# Altium PCB Digital_Optical_18Tx_14Tx4Rx.PcbDoc (part 1 of 2) (continued)
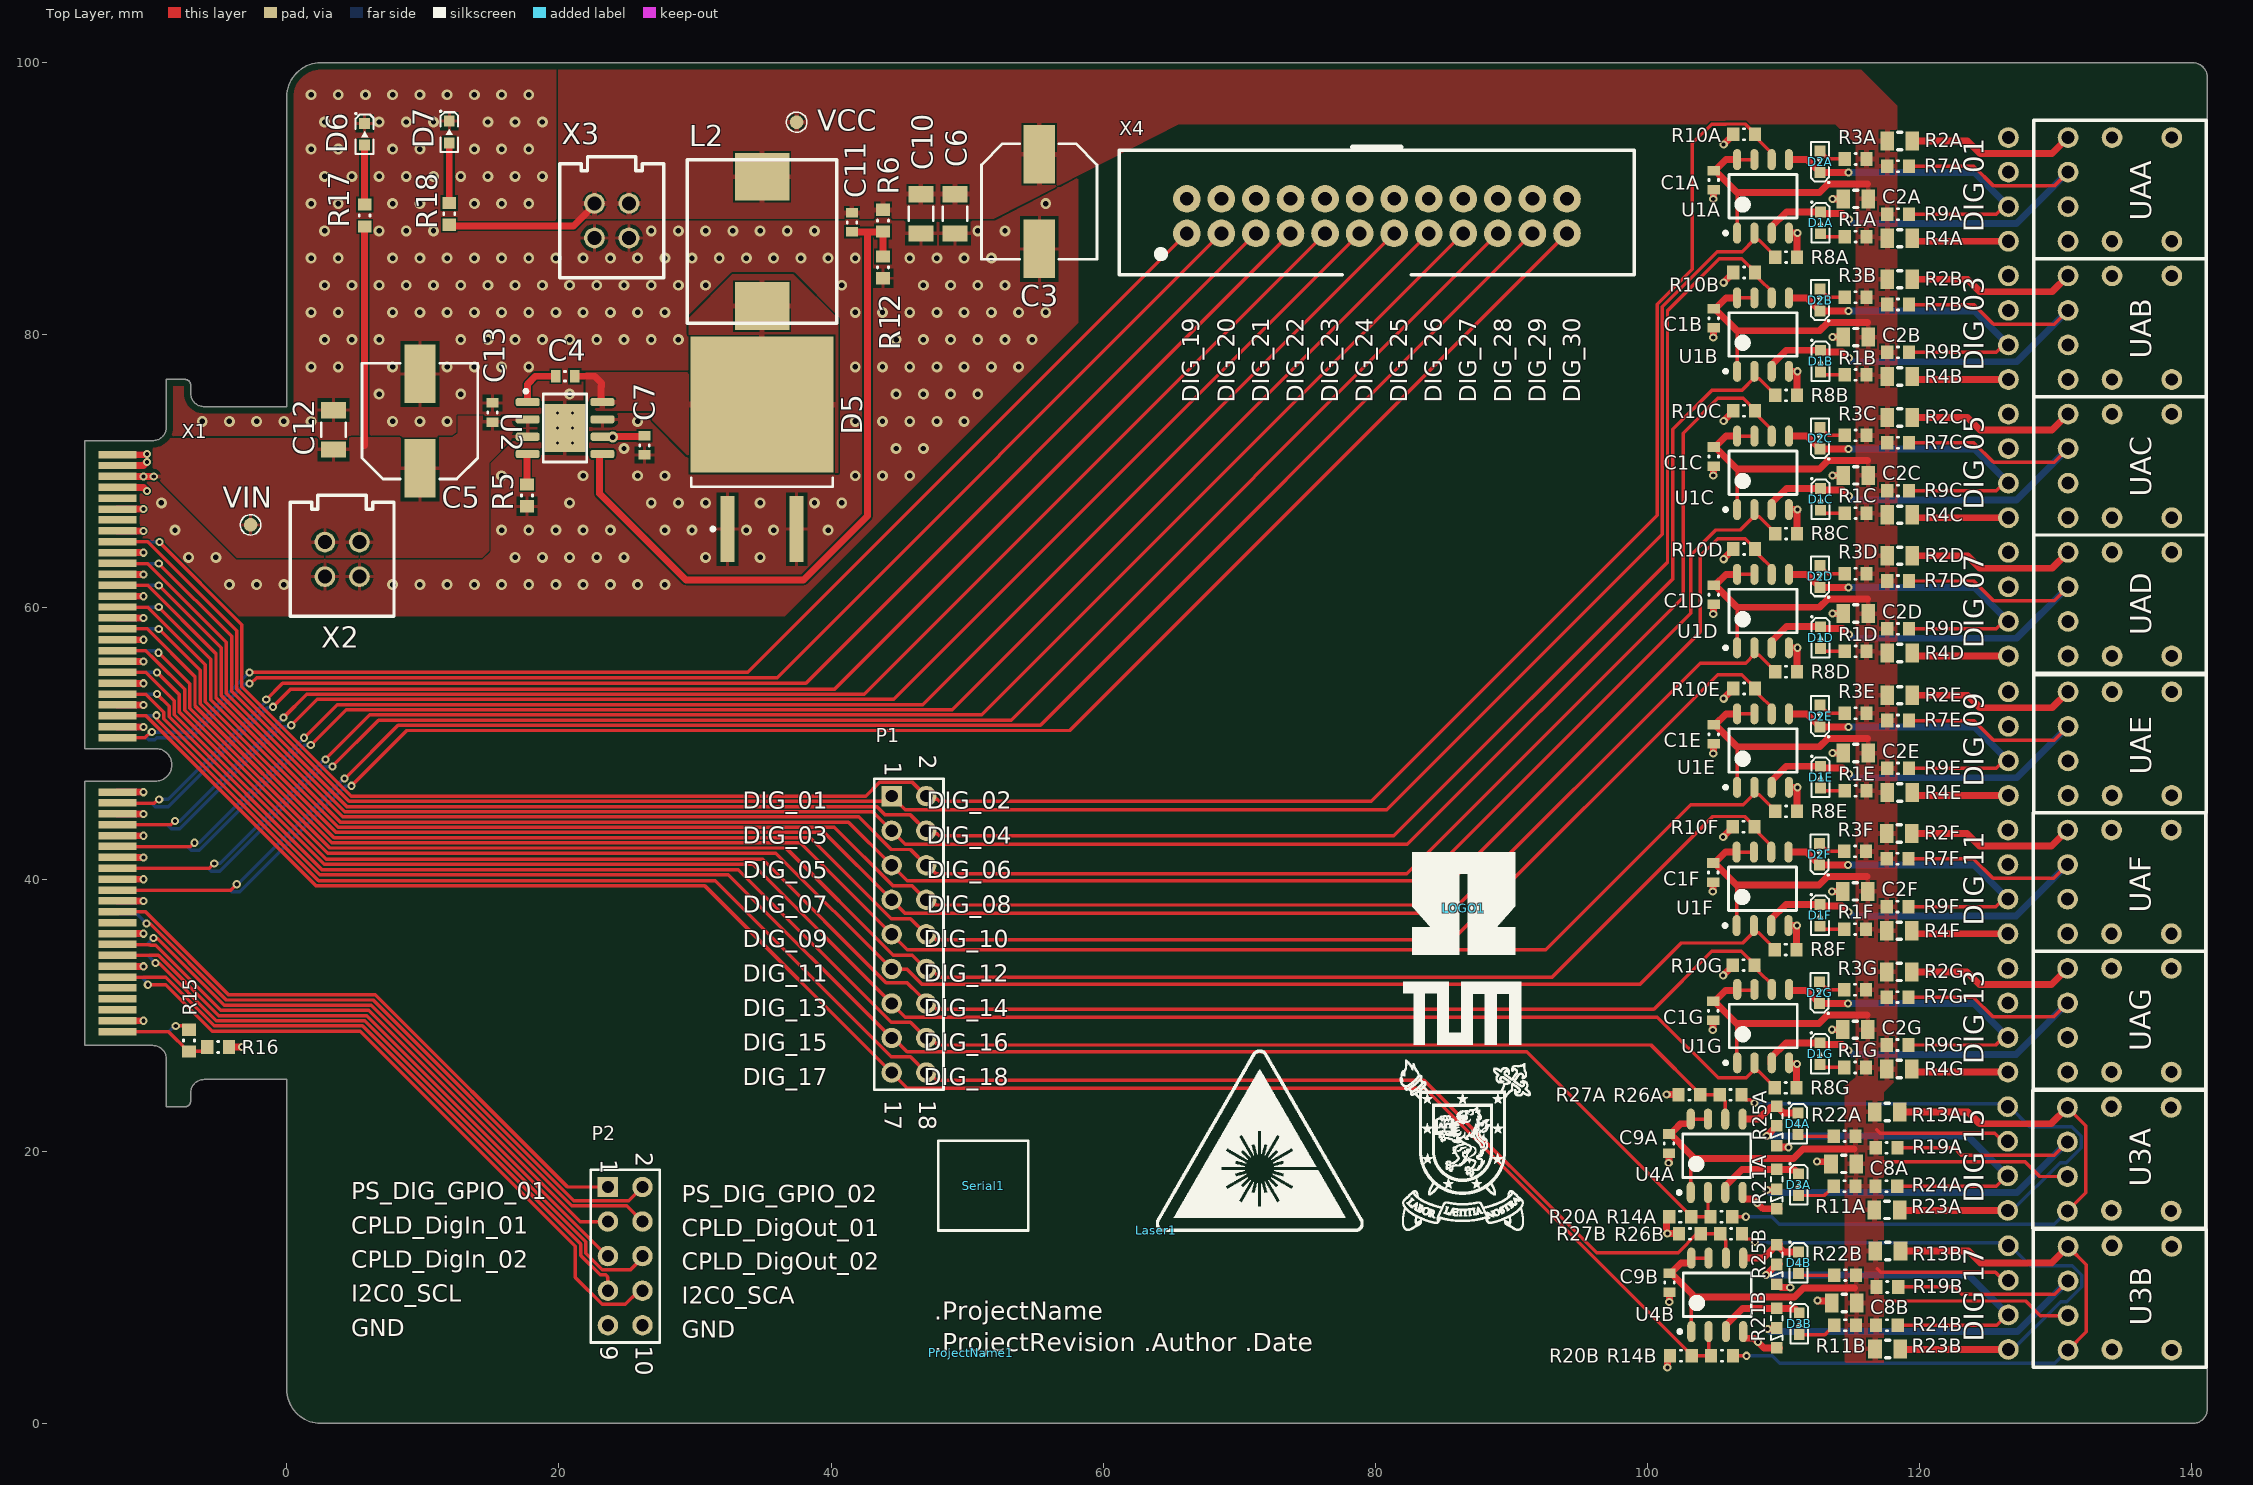
[diagram p0: Top Layer view]
## Components (designator, comment, footprint, x,y, rotation, side; value= is the part's Value field where it differs from the comment)
C1A "100nF" C_0603(1608)100_L 104.871,91.379 r270 top (schematic designator C1)
C1B "100nF" C_0603(1608)100_L 104.871,81.219 r270 top (schematic designator C1)
C1C "100nF" C_0603(1608)100_L 104.871,71.059 r270 top (schematic designator C1)
C1D "100nF" C_0603(1608)100_L 104.871,60.899 r270 top (schematic designator C1)
C1E "100nF" C_0603(1608)100_L 104.871,50.645 r270 top (schematic designator C1)
C1F "100nF" C_0603(1608)100_L 104.836,40.485 r270 top (schematic designator C1)
C1G "100nF" C_0603(1608)100_L 104.836,30.317 r270 top (schematic designator C1)
C2A "4.7µF" CAP_2012X06N 115.302,89.995 r180 top (schematic designator C2)
C2B "4.7µF" CAP_2012X06N 115.302,79.835 r180 top (schematic designator C2)
C2C "4.7µF" CAP_2012X06N 115.302,69.675 r180 top (schematic designator C2)
C2D "4.7µF" CAP_2012X06N 115.302,59.515 r180 top (schematic designator C2)
C2E "4.7µF" CAP_2012X06N 115.302,49.261 r180 top (schematic designator C2)
C2F "4.7µF" CAP_2012X06N 115.267,39.101 r180 top (schematic designator C2)
C2G "4.7µF" CAP_2012X06N 115.267,28.933 r180 top (schematic designator C2)
C3 "220uF" CAPAE9083X105M 55.3,89.8 r90 top
C4 "100nF" C_0603(1608)100_L 20.447,76.962 r0 top
C5 "220uF" CAPAE9083X105M 9.779,73.66 r270 top
C6 "10µF" C_1206 49.1,88.9 r270 top
C7 "10nF" C_0603(1608)100_L 26.289,71.882 r270 top
C8A "4.7µF" CAP_2012X06N 114.417,19.072 r180 top (schematic designator C8)
C8B "4.7µF" CAP_2012X06N 114.461,8.852 r180 top (schematic designator C8)
C9A "100nF" C_0603(1608)100_L 101.577,20.569 r270 top (schematic designator C9)
C9B "100nF" C_0603(1608)100_L 101.621,10.348 r270 top (schematic designator C9)
C10 "10µF" C_1206 46.6,88.9 r270 top
C11 "220pF" C_0603(1608)100_L 41.529,88.265 r270 top
C12 "10µF" C_1206 3.429,73.025 r90 top
C13 "100nF" C_0603(1608)100_L 15.113,74.295 r270 top
D1A "150060GS75000" WL-SMCW_0603 112.717,88.233 r270 top (schematic designator D1)
D1B "150060GS75000" WL-SMCW_0603 112.717,78.073 r270 top (schematic designator D1)
D1C "150060GS75000" WL-SMCW_0603 112.717,67.913 r270 top (schematic designator D1)
D1D "150060GS75000" WL-SMCW_0603 112.717,57.753 r270 top (schematic designator D1)
D1E "150060GS75000" WL-SMCW_0603 112.717,47.499 r270 top (schematic designator D1)
D1F "150060GS75000" WL-SMCW_0603 112.682,37.339 r270 top (schematic designator D1)
D1G "150060GS75000" WL-SMCW_0603 112.682,27.171 r270 top (schematic designator D1)
D2A "150060GS75000" WL-SMCW_0603 112.684,92.723 r90 top (schematic designator D2)
D2B "150060GS75000" WL-SMCW_0603 112.684,82.563 r90 top (schematic designator D2)
D2C "150060GS75000" WL-SMCW_0603 112.684,72.403 r90 top (schematic designator D2)
D2D "150060GS75000" WL-SMCW_0603 112.684,62.243 r90 top (schematic designator D2)
D2E "150060GS75000" WL-SMCW_0603 112.684,51.989 r90 top (schematic designator D2)
D2F "150060GS75000" WL-SMCW_0603 112.649,41.829 r90 top (schematic designator D2)
D2G "150060GS75000" WL-SMCW_0603 112.649,31.661 r90 top (schematic designator D2)
D3A "150060GS75000" WL-SMCW_0603 111.113,17.548 r270 top (schematic designator D3)
D3B "150060GS75000" WL-SMCW_0603 111.158,7.328 r270 top (schematic designator D3)
D4A "150060GS75000" WL-SMCW_0603 111.059,22.023 r270 top (schematic designator D4)
D4B "150060GS75000" WL-SMCW_0603 111.103,11.802 r270 top (schematic designator D4)
D5 "Value" DPAK254P1542X460-3Nnew 34.925,71.628 r90 top
D6 "150060BS75000" WL-SMCW_0603 5.715,94.742 r270 top
D7 "150060RS75000" WL-SMCW_0603 11.938,94.907 r270 top
L2 "2.2uH" MWSA1004 34.925,86.868 r90 top
Laser1 "Voll_Laser" VOLL_LASER 63.881,14.194 r0 top
LOGO1 "Project Logo" LOGO_PARTNERS_1 86.487,37.872 r0 top
P1 "Header 9X2" HDR2X9 44.45,46.101 r270 top
P2 "Header 5X2" HDR2X5 23.597,17.374 r270 top
ProjectName1 "Project Name, Rev" ID_PROJECTREV 50.292,5.207 r0 top
R1A "3.9k" R_0603_N 115.302,87.22 r0 top (schematic designator R1)
R1B "3.9k" R_0603_N 115.302,77.06 r0 top (schematic designator R1)
R1C "3.9k" R_0603_N 115.302,66.9 r0 top (schematic designator R1)
R1D "3.9k" R_0603_N 115.302,56.74 r0 top (schematic designator R1)
R1E "3.9k" R_0603_N 115.302,46.486 r0 top (schematic designator R1)
R1F "3.9k" R_0603_N 115.267,36.326 r0 top (schematic designator R1)
R1G "3.9k" R_0603_N 115.267,26.158 r0 top (schematic designator R1)
R2A "120R" RES_2012X06N 118.542,94.247 r0 top (schematic designator R2)
R2B "120R" RES_2012X06N 118.542,84.087 r0 top (schematic designator R2)
R2C "120R" RES_2012X06N 118.542,73.927 r0 top (schematic designator R2)
R2D "120R" RES_2012X06N 118.542,63.767 r0 top (schematic designator R2)
R2E "120R" RES_2012X06N 118.542,53.513 r0 top (schematic designator R2)
R2F "120R" RES_2012X06N 118.507,43.353 r0 top (schematic designator R2)
R2G "120R" RES_2012X06N 118.507,33.185 r0 top (schematic designator R2)
R3A "3.9k" R_0603_N 115.302,92.929 r180 top (schematic designator R3)
R3B "3.9k" R_0603_N 115.302,82.769 r180 top (schematic designator R3)
R3C "3.9k" R_0603_N 115.302,72.609 r180 top (schematic designator R3)
R3D "3.9k" R_0603_N 115.302,62.449 r180 top (schematic designator R3)
R3E "3.9k" R_0603_N 115.302,52.195 r180 top (schematic designator R3)
R3F "3.9k" R_0603_N 115.267,42.035 r180 top (schematic designator R3)
R3G "3.9k" R_0603_N 115.267,31.867 r180 top (schematic designator R3)
R4A "120R" RES_2012X06N 118.542,87.102 r0 top (schematic designator R4)
R4B "120R" RES_2012X06N 118.542,76.942 r0 top (schematic designator R4)
R4C "120R" RES_2012X06N 118.542,66.782 r0 top (schematic designator R4)
R4D "120R" RES_2012X06N 118.542,56.622 r0 top (schematic designator R4)
R4E "120R" RES_2012X06N 118.542,46.368 r0 top (schematic designator R4)
R4F "120R" RES_2012X06N 118.507,36.208 r0 top (schematic designator R4)
R4G "120R" RES_2012X06N 118.507,26.04 r0 top (schematic designator R4)
R5 "13k" R_0603_N 17.653,68.199 r90 top
R6 "68k" R_0603_N 43.815,88.392 r90 top
R7A "2k" R_0603_N 118.415,92.39 r180 top (schematic designator R7)
R7B "2k" R_0603_N 118.415,82.23 r180 top (schematic designator R7)
R7C "2k" R_0603_N 118.415,72.07 r180 top (schematic designator R7)
R7D "2k" R_0603_N 118.415,61.91 r180 top (schematic designator R7)
R7E "2k" R_0603_N 118.415,51.656 r180 top (schematic designator R7)
R7F "2k" R_0603_N 118.38,41.496 r180 top (schematic designator R7)
R7G "2k" R_0603_N 118.38,31.328 r180 top (schematic designator R7)
R8A "2k" R_0603_N 110.195,85.716 r180 top (schematic designator R8)
R8B "2k" R_0603_N 110.195,75.556 r180 top (schematic designator R8)
R8C "2k" R_0603_N 110.195,65.396 r180 top (schematic designator R8)
R8D "2k" R_0603_N 110.195,55.236 r180 top (schematic designator R8)
R8E "2k" R_0603_N 110.195,44.982 r180 top (schematic designator R8)
R8F "2k" R_0603_N 110.16,34.822 r180 top (schematic designator R8)
R8G "2k" R_0603_N 110.16,24.654 r180 top (schematic designator R8)
R9A "2k" R_0603_N 118.415,88.871 r180 top (schematic designator R9)
R9B "2k" R_0603_N 118.415,78.711 r180 top (schematic designator R9)
R9C "2k" R_0603_N 118.415,68.551 r180 top (schematic designator R9)
R9D "2k" R_0603_N 118.415,58.391 r180 top (schematic designator R9)
R9E "2k" R_0603_N 118.415,48.137 r180 top (schematic designator R9)
R9F "2k" R_0603_N 118.38,37.977 r180 top (schematic designator R9)
R9G "2k" R_0603_N 118.38,27.809 r180 top (schematic designator R9)
R10A "2k" R_0603_N 107.1,94.744 r0 top (schematic designator R10)
R10B "2k" R_0603_N 107.1,84.584 r0 top (schematic designator R10)
R10C "2k" R_0603_N 107.1,74.424 r0 top (schematic designator R10)
R10D "2k" R_0603_N 107.1,64.264 r0 top (schematic designator R10)
R10E "2k" R_0603_N 107.1,54.01 r0 top (schematic designator R10)
R10F "2k" R_0603_N 107.065,43.85 r0 top (schematic designator R10)
R10G "2k" R_0603_N 107.065,33.682 r0 top (schematic designator R10)
R11A "3.9k" R_0603_N 114.49,17.433 r180 top (schematic designator R11)
R11B "3.9k" R_0603_N 114.534,7.213 r180 top (schematic designator R11)
R12 "12k" R_0603_N 43.815,84.963 r90 top
R13A "120R" RES_2012X06N 117.628,22.893 r0 top (schematic designator R13)
R13B "120R" RES_2012X06N 117.673,12.673 r0 top (schematic designator R13)
R14A "1.2k" R_0603_N 105.432,15.186 r180 top (schematic designator R14)
R14B "1.2k" R_0603_N 105.477,4.965 r180 top (schematic designator R14)
R15 "0R" R_0603_N -7.19,28.135 r90 top
R16 "0R" R_0603_N -5.051,27.66 r180 top
R17 "2k" R_0603_N 5.715,88.773 r270 top
R18 "1k" R_0603_N 11.938,88.9 r270 top
R19A "2k" R_0603_N 117.58,20.247 r180 top (schematic designator R19)
R19B "2k" R_0603_N 117.624,10.027 r180 top (schematic designator R19)
R20A "2k" R_0603_N 102.408,15.186 r0 top (schematic designator R20)
R20B "2k" R_0603_N 102.453,4.965 r0 top (schematic designator R20)
R21A "0R" 0603_CONFIG 109.5,17.937 r270 top (schematic designator R21)
R21B "0R" 0603_CONFIG 109.5,7.737 r270 top (schematic designator R21)
R22A "3.9k" R_0603_N 114.49,21.115 r180 top (schematic designator R22)
R22B "3.9k" R_0603_N 114.534,10.895 r180 top (schematic designator R22)
R23A "120R" RES_2012X06N 117.603,15.694 r0 top (schematic designator R23)
R23B "120R" RES_2012X06N 117.648,5.473 r0 top (schematic designator R23)
R24A "2k" R_0603_N 117.553,17.433 r180 top (schematic designator R24)
R24B "2k" R_0603_N 117.598,7.213 r180 top (schematic designator R24)
R25A "0R" 0603_CONFIG 109.5,22.587 r270 top (schematic designator R25)
R25B "0R" 0603_CONFIG 109.5,12.4 r270 top (schematic designator R25)
R26A "1.2k" R_0603_N 106.105,24.144 r180 top (schematic designator R26)
R26B "1.2k" R_0603_N 106.15,13.924 r180 top (schematic designator R26)
R27A "2k" R_0603_N 103.077,24.144 r0 top (schematic designator R27)
R27B "2k" R_0603_N 103.121,13.924 r0 top (schematic designator R27)
Serial1 "Serialnumber 6,3 x 6.3mm" SERIAL_6.3X6.3MM 51.181,17.471 r180 top
U1A "Buffer/Line Driver" SOIC127P600X175-8N 108.493,90.183 r0 top (schematic designator U1)
U1B "Buffer/Line Driver" SOIC127P600X175-8N 108.493,80.023 r0 top (schematic designator U1)
U1C "Buffer/Line Driver" SOIC127P600X175-8N 108.493,69.863 r0 top (schematic designator U1)
U1D "Buffer/Line Driver" SOIC127P600X175-8N 108.493,59.703 r0 top (schematic designator U1)
U1E "Buffer/Line Driver" SOIC127P600X175-8N 108.493,49.449 r0 top (schematic designator U1)
U1F "Buffer/Line Driver" SOIC127P600X175-8N 108.458,39.289 r0 top (schematic designator U1)
U1G "Buffer/Line Driver" SOIC127P600X175-8N 108.5,29.2 r0 top (schematic designator U1)
U2 "5A Buck Converter" SOP127P600X170_HS-9N 20.447,73.152 r270 top
U3A "Optical Transceiver" HFBRX5XX 130.865,23.223 r90 top (schematic designator U3)
U3B "Optical Transceiver" HFBRX5XX 130.909,13.003 r90 top (schematic designator U3)
U4A "Buffer/Line Driver" SOIC127P600X175-8N 105.084,19.669 r0 top (schematic designator U4)
U4B "Buffer/Line Driver" SOIC127P600X175-8N 105.128,9.448 r0 top (schematic designator U4)
U5A "Optical Transceiver" HFBRX5XX 126.477,15.654 r270 bottom (schematic designator U5)
U5B "Optical Transceiver" HFBRX5XX 126.521,5.434 r270 bottom (schematic designator U5)
UAA "Optical Transceiver" HFBRX5XX 130.915,94.501 r90 top (schematic designator UA)
UAB "Optical Transceiver" HFBRX5XX 130.915,84.341 r90 top (schematic designator UA)
UAC "Optical Transceiver" HFBRX5XX 130.915,74.181 r90 top (schematic designator UA)
UAD "Optical Transceiver" HFBRX5XX 130.915,64.021 r90 top (schematic designator UA)
UAE "Optical Transceiver" HFBRX5XX 130.915,53.767 r90 top (schematic designator UA)
UAF "Optical Transceiver" HFBRX5XX 130.88,43.607 r90 top (schematic designator UA)
UAG "Optical Transceiver" HFBRX5XX 130.88,33.439 r90 top (schematic designator UA)
UBA "Optical Transceiver" HFBRX5XX 126.527,86.881 r270 bottom (schematic designator UB)
UBB "Optical Transceiver" HFBRX5XX 126.527,76.721 r270 bottom (schematic designator UB)
UBC "Optical Transceiver" HFBRX5XX 126.527,66.561 r270 bottom (schematic designator UB)
UBD "Optical Transceiver" HFBRX5XX 126.527,56.401 r270 bottom (schematic designator UB)
UBE "Optical Transceiver" HFBRX5XX 126.527,46.147 r270 bottom (schematic designator UB)
UBF "Optical Transceiver" HFBRX5XX 126.492,35.987 r270 bottom (schematic designator UB)
UBG "Optical Transceiver" HFBRX5XX 126.492,25.819 r270 bottom (schematic designator UB)
VCC "Testpoint 1mm" TP_1MM 37.465,95.631 r90 top
VIN "Testpoint 1mm" TP_1MM -2.667,66.04 r90 top
X1 "HSEC8-150-01-XX-DV-A-BL-CARD" HSEC8-150-01-XX-DV-A-BL-CARD -14.84,50 r270 bottom
X2 "IPL1-102-01-L-D-K" IPL1-102-01-L-D-K 4.064,63.5 r180 top
X3 "IPL1-102-01-L-D-K" IPL1-102-01-L-D-K 23.876,88.392 r180 top
X4 "2x12 Header .100''" TST-112-01-G-D 80.113,88.73 r0 top

## Footprints (in the part's own frame and the unit in brackets; to place one, negate y for a bottom-side part, rotate by r counter-clockwise, add the part's x,y. Pads: shape width x height; smd on the part's side, far side on the other; paste and mask are expansions set on the pad)
0603_CONFIG [mm] "0603 3-Pin Config Footprint"
  rect 0.85x0.85 smd: 1(-0.725,0) 2(0.725,0) 3(2.175,0)
  silkscreen extent -0.16,-0.43 1.61,0.43, body extent -0.8,-1.14 0.8,0.4, height 2.8
C_0603(1608)100_L [mm] "Chip Capacitor, Body 1.6x0.8mm, Height 1.0mm, IPC High Density"
  rect 0.7x0.9 smd: 1(-0.7,0) 2(0.7,0)
  silkscreen extent -0.05,-0.35 0.05,0.35, body extent -0.8,-0.4 0.8,0.4, height 0.8
C_1206 [mm]
  rect 1.21x1.82 smd: 1(1.45,0) 2(-1.45,0)
  silkscreen extent -0.5,-0.9 0.5,0.9, body extent -1.6,-0.81 1.6,0.81, height 1.82
CAP_2012X06N [mm] "Chip Resistor, 2-Leads, Body 2,00x1,25mm, IPC Medium Density"
  rect 1x1.4 smd: 1(-0.925,0) 2(0.925,0)
  silkscreen extent -0.15,-0.64 0.15,0.64, body extent -1,-0.62 1,0.63, height 1.25
CAPAE9083X105M [mm] "Aluminum Electrolytic Capacitor, Body 8,30x8,30x10,50mm, IPC Low Density"
  rect 4.3x2.3 smd: 1(3.475,0) 2(-3.475,0)
  silkscreen extent -4.25,-4.25 4.25,4.25, body extent -4.25,-4.25 4.25,4.25, height 10.5
DPAK254P1542X460-3Nnew [mm] "D2-PAK, 3-Pads, Body 7,77x8,56mm (max), IPC Medium Density"
  rect 4.85x1.05 smd: 1(-5.9,2.54) 3(-5.9,-2.54)
  rect 10x10.5 smd: 4(3.25,0)
  silkscreen extent -6.02,-5.2 -2.15,5.2, body extent -2.8,-5.2 6.55,5.2, height 4.6
HDR2X5 [mm] "Connector; Header; 5x2 Position"
  rect 1.5x1.5 hole 0.9: 1(0,0)
  round 1.5 hole 0.9: 2(0,2.54) 3(2.54,0) 4(2.54,2.54) 5(5.08,0) 6(5.08,2.54) 7(7.62,0) 8(7.62,2.54) 9(10.16,0) 10(10.16,2.54)
  silkscreen extent -1.27,-1.27 11.43,3.81
HDR2X9 [mm] "Connector; Header; 9x2 Position"
  rect 1.5x1.5 hole 0.9: 1(0,0)
  round 1.5 hole 0.9: 2(0,2.54) 3(2.54,0) 4(2.54,2.54) 5(5.08,0) 6(5.08,2.54) 7(7.62,0) 8(7.62,2.54) 9(10.16,0) 10(10.16,2.54) 11(12.7,0) 12(12.7,2.54) 13(15.24,0) 14(15.24,2.54) 15(17.78,0) 16(17.78,2.54) 17(20.32,0) 18(20.32,2.54)
  silkscreen extent -1.27,-1.27 21.59,3.81
HFBRX5XX [mil]
  round 60 hole 38: 1(0,0) 2(-100,0) 3(-200,0) 4(-300,0)
  round 60 hole 35: 5(-300,-300) 8(0,-300)
  silkscreen extent -350,-400 50,100, body extent -350,-610 130,130, height 344
HSEC8-150-01-XX-DV-A-BL-CARD [mm]
  rect 0.55x2.8 smd far side mask+0.05: 1(-21.2,-2.4) 3(-20.4,-2.4) 5(-19.6,-2.4) 7(-18.8,-2.4) 9(-18,-2.4) 11(-17.2,-2.4) 13(-16.4,-2.4) 15(-15.6,-2.4) 17(-14.8,-2.4) 19(-14,-2.4) 21(-13.2,-2.4) 23(-12.4,-2.4) 25(-11.6,-2.4) 27(-10.8,-2.4) 29(-10,-2.4) 31(-9.2,-2.4) 33(-8.4,-2.4) 35(-7.6,-2.4) 37(-6.8,-2.4) 39(-6,-2.4) 41(-5.2,-2.4) 43(-4.4,-2.4) 45(-3.6,-2.4) 47(-2.8,-2.4) 49(-2,-2.4) 51(-1.2,-2.4) 53(-0.4,-2.4) 55(3.6,-2.4) 57(4.4,-2.4) 59(5.2,-2.4) 61(6,-2.4) 63(6.8,-2.4) 65(7.6,-2.4) 67(8.4,-2.4) 69(9.2,-2.4) 71(10,-2.4) 73(10.8,-2.4) 75(11.6,-2.4) 77(12.4,-2.4) 79(13.2,-2.4) 81(14,-2.4) 83(14.8,-2.4) 85(15.6,-2.4) 87(16.4,-2.4) 89(17.2,-2.4) 91(18,-2.4) 93(18.8,-2.4) 95(19.6,-2.4) 97(20.4,-2.4) 99(21.2,-2.4)
  rect 0.55x2.8 smd mask+0.05: 2(-21.2,-2.4) 4(-20.4,-2.4) 6(-19.6,-2.4) 8(-18.8,-2.4) 10(-18,-2.4) 12(-17.2,-2.4) 14(-16.4,-2.4) 16(-15.6,-2.4) 18(-14.8,-2.4) 20(-14,-2.4) 22(-13.2,-2.4) 24(-12.4,-2.4) 26(-11.6,-2.4) 28(-10.8,-2.4) 30(-10,-2.4) 32(-9.2,-2.4) 34(-8.4,-2.4) 36(-7.6,-2.4) 38(-6.8,-2.4) 40(-6,-2.4) 42(-5.2,-2.4) 44(-4.4,-2.4) 46(-3.6,-2.4) 48(-2.8,-2.4) 50(-2,-2.4) 52(-1.2,-2.4) 54(-0.4,-2.4) 56(3.6,-2.4) 58(4.4,-2.4) 60(5.2,-2.4) 62(6,-2.4) 64(6.8,-2.4) 66(7.6,-2.4) 68(8.4,-2.4) 70(9.2,-2.4) 72(10,-2.4) 74(10.8,-2.4) 76(11.6,-2.4) 78(12.4,-2.4) 80(13.2,-2.4) 82(14,-2.4) 84(14.8,-2.4) 86(15.6,-2.4) 88(16.4,-2.4) 90(17.2,-2.4) 92(18,-2.4) 94(18.8,-2.4) 96(19.6,-2.4) 98(20.4,-2.4) 100(21.2,-2.4)
ID_PROJECTREV [mm] "project name + revision number"
IPL1-102-01-L-D-K [mil]
  round 60 hole 40 mask+3: 1(-50,50) 2(50,50) 3(-50,-50) 4(50,-50)
  silkscreen extent -150,-185 150,165, body extent -130,-165 130,145, height 320
LOGO_PARTNERS_1 [mm] "THN, TUM and USACH Logo"
  silkscreen extent -4.69,-23.68 4.93,4.11
MWSA1004 [mm]
  rect 3.5x4 smd: 1(-4.75,0) 2(4.75,0)
  silkscreen extent -6,-5.5 6,5.5, body extent -5.97,-5.46 5.97,5.59, height 4
R_0603_N [mm] "SMD Resistor, Body 1.6x0.8mm, IPC Medium Density"
  rect 0.9x1 smd: 1(-0.8,0) 2(0.8,0)
  silkscreen extent -0.05,-0.4 0.05,0.4, body extent -0.8,-0.4 0.8,0.4, height 0.44
RES_2012X06N [mm] "Chip Resistor, 2-Leads, Body 2,00x1,25mm, IPC Medium Density"
  rect 1x1.4 smd: 1(-0.925,0) 2(0.925,0)
  silkscreen extent -0.15,-0.64 0.15,0.64, body extent -1,-0.63 1,0.62, height 0.45
SERIAL_6.3X6.3MM [mm]
  silkscreen extent -3.3,-3.3 3.3,3.3
SOIC127P600X175-8N [mm] "SOIC, 8-Leads, Body 4,90x3,90mm, Pitch 1,27mm, IPC Medium Density"
  oval 0.6x1.55 smd: 1(-1.905,-2.7) 2(-0.635,-2.7) 3(0.635,-2.7) 4(1.905,-2.7) 5(1.905,2.7) 6(0.635,2.7) 7(-0.635,2.7) 8(-1.905,2.7)
  silkscreen extent -2.88,-2.82 2.5,1.6, body extent -2.45,-3 2.45,3, height 1.75
SOP127P600X170_HS-9N [mm] "SOP, 8-Leads, Body 4,90x3,90mm, Pitch 1,27mm, Thermal Pad 3,10x2,40mm, IPC Medium Density"
  rrect50% 0.6x1.75 smd: 1(-1.905,-2.75) 2(-0.635,-2.75) 3(0.635,-2.75) 4(1.905,-2.75) 5(1.905,2.75) 6(0.635,2.75) 7(-0.635,2.75) 8(-1.905,2.75)
  rect 3.5x3 smd mask-0.2: 9(0,0)
  silkscreen extent -2.83,-3 2.5,1.6, body extent -3,-2.45 3,2.45, height 1.75
TP_1MM [mm]
  round 1 smd paste-1: 1(0,0)
  silkscreen extent -0.75,-0.75 0.75,0.75
TST-112-01-G-D [mil] "2x12 .100'' Header Samtec"
  round 80 hole 40: 1(-550,-50) 2(-550,50) 3(-450,-50) 4(-450,50) 5(-350,-50) 6(-350,50) 7(-250,-50) 8(-250,50) 9(-150,-50) 10(-150,50) 11(-50,-50) 12(-50,50) 13(50,-50) 14(50,50) 15(150,-50) 16(150,50) 17(250,-50) 18(250,50) 19(350,-50) 20(350,50) 21(450,-50) 22(450,50) 23(550,-50) 24(550,50)
  silkscreen extent -745,-170 745,200, body extent -750,-177 750,196, height 353
VOLL_LASER [mm]
  silkscreen extent 0,-0.08 15.24,13.26
WL-SMCW_0603 [mm] "SMD Mono-color Chip LED, body 1.6x0.8mm"
  rect 0.8x0.8 smd: 1(-0.8,0) 2(0.8,0)
  silkscreen extent -1.59,-0.7 1.45,0.65, body extent -0.8,-0.4 0.8,0.4, height 0.7

## Part data
C1A C1B C1C C1D C1E C1F C1G C4 C9A C9B C13: library part C_0603, "CAP 0603 (1608 Metric) SMD", Case-EIA=0603, Case-Metric=1608, LCSC Part #=C14663, Rated Voltage="50 V", Tolerance=±5%, Created=2018_09_06_AGeiger, Max Thickness="1 mm", Package=0603, Technology=SMT
C2A C2B C2C C2D C2E C2F C2G: library part C_0805, "CAP 0805 (2012 Metric) SMD", Case-EIA=0805, Case-Metric=2012, Dielectric=X7R, LCSC Part #=C1779, MPN=LMF212B7475KGHT, Supplier Part Number 1=963-LMF212B7475KGHT, Tolerance=±10%, Voltage="10 V", Created=2018_09_06_AGeiger, Max Thickness="1 mm", MF="Taiyo Yuden", Package=0805, Supplier 1=Mouser, Technology=SMT
C3 C5: "ALUMINUM ELECTROLYTIC CAPACITOR", Dielectric=tbd, LCSC Part #=C311611, Package=8x10, Tolerance=20%, Voltage=35V, Created=2018_06_25_AGeiger, MPN=tbd, Supplier 1=tbd, Supplier Part Number 1=tbd
C6 C10 C12: "Capacitor 1206", Dielectric=X5R, LCSC Part #=C13585, MPN=GMK316BJ106KL-T, Package=1206, Supplier Part Number 1=963-GMK316BJ106KL-T, Tolerance=10%, Voltage="35 V", Created=2018_06_25_AGeiger, MF="Taiyo Yuden", Supplier 1=Mouser
C7: library part C_0603, "CAP 0603 (1608 Metric) SMD", Case-EIA=0603, Case-Metric=1608, LCSC Part #=C57112, Rated Voltage="50 V", Tolerance=±5%, Created=2018_09_06_AGeiger, Max Thickness="1 mm", Package=0603, Technology=SMT
C8A C8B: library part C_0805, "CAP 0805 (2012 Metric) SMD", Case-EIA=0805, Case-Metric=2012, Dielectric=X7R, LCSC Part #=C1779, MPN=LMF212B7475KGHT, Rated Voltage="10 V", Supplier Part Number 1=963-LMF212B7475KGHT, Tolerance=±10%, Created=2018_09_06_AGeiger, Max Thickness="1 mm", MF="Taiyo Yuden", Supplier 1=Mouser, Technology=SMT
C11: library part C_0603, "CAP 0603 (1608 Metric) SMD", Case-EIA=0603, Case-Metric=1608, LCSC Part #=C1603, Rated Voltage="50 V", Tolerance=±5%, Created=2018_09_06_AGeiger, Max Thickness="1 mm", Package=0603, Technology=SMT
D1A D1B D1C D1D D1E D1F D1G D2A D2B D2C D2D D2E D2F D2G D3A D3B D4A D4B: library part LED_Green_0603, "WL-SMCW SMD Mono-color Chip LED Waterclear, size 0603, Green, 3.2 V, 140°", Emitting Color=Green, Forward Voltage="3.2 V", LCSC Part #=C72043, Package=0603, Supplier Part Number 1=2322070, ComponentLink1Description=Manufacturer, ComponentLink1URL=http://www.we-online.de, ComponentLink2Description=Datasheet, ComponentLink2URL=http://katalog.we-online.com/led/datasheet/150060GS75000.pdf, Created=2018_09_06_AGeiger, Dominant Wavelength="520 nm", Luminous Intensity="430 mcd", MF="Wuerth Elektronik", MPN=150060GS75000, Peak Wavelength="515 nm", Published Date="Sep. 2017", Size=0603, Supplier 1=Farnell, Supplier 2=Mouser, Supplier 3=Digi-Key, Supplier Part Number 2=710-150060GS75000, Supplier Part Number 3=732-4971-1-ND, Viewing Angle=140°
D5: library part STPS30L60CG-TR, "SCHOTTKY BARRIER DIODES (SBD) TO-263-2 ROHS", LCSC Part #=C180216, ComponentLink1Description=Manufacturer, ComponentLink1URL=STMicroelectronics, ComponentLink2Description=Datasheet
D6: library part LED_Blue_0603, "WL-SMCW SMD Mono-color Chip LED Waterclear, size 0603, Blue, 3.2 V, 140°", Emitting Color=Blue, Forward Voltage="3.2 V", LCSC Part #=C72041, Package=0603, Supplier Part Number 1=2322069, ComponentLink1Description=Manufacturer, ComponentLink1URL=http://www.we-online.de, ComponentLink2Description=Datasheet, ComponentLink2URL=http://katalog.we-online.com/led/datasheet/150060BS75000.pdf, Created=2018_09_06_AGeiger, Dominant Wavelength="470 nm", Luminous Intensity="145 mcd", MF="Wuerth Elektronik", MPN=150060BS75000, Peak Wavelength="465 nm", Published Date="Sep. 2017", Size=0603, Supplier 1=Farnell, Supplier 2=Mouser, Supplier 3=Digi-Key, Supplier Part Number 2=710-150060BS75000, Supplier Part Number 3=732-4966-1-ND, Viewing Angle=140°
D7: library part LED_Red_0603, "WL-SMCW SMD Mono-color Chip LED Waterclear, size 0603, Red, 2 V, 140°", Emitting Color=Red, Forward Voltage="2 V", LCSC Part #=C2286, Package=0603, Supplier Part Number 1=2322071, ComponentLink1Description=Manufacturer, ComponentLink1URL=http://www.we-online.de, ComponentLink2Description=Datasheet, ComponentLink2URL=http://katalog.we-online.com/led/datasheet/150060RS75000.pdf, Created=2018_09_06_AGeiger, Dominant Wavelength="625 nm", Luminous Intensity="250 mcd", MF="Wuerth Elektronik", MPN=150060RS75000, Peak Wavelength="630 nm", Published Date="Sep. 2017", Size=0603, Supplier 1=Farnell, Supplier 2=Mouser, Supplier 3=Digi-Key, Supplier Part Number 2=710-150060RS75000, Supplier Part Number 3=732-4978-1-ND, Viewing Angle=140°
L2: library part Inductor_2.2uH_13A, "POWER INDUCTORS 2.2UH ±20% 13A SMD,10.5X11.5X4.0MM ROHS", Current rated=13A, LCSC Part #=C149550
Laser1: "Logo Laser Warning Sign"
LOGO1: "LOGO PRINT", Created=2018_09_18_AGeiger
P1: "Header, 9-Pin, Dual row", LatestRevisionDate=17-Jul-2002, LatestRevisionNote="Re-released for DXP Platform.", Publisher="Altium Limited"
P2: "Header, 5-Pin, Dual row", LatestRevisionDate=17-Jul-2002, LatestRevisionNote="Re-released for DXP Platform.", Publisher="Altium Limited"
ProjectName1: "Project Name and Revision Number", Created=2018_11_23_AGeiger
R1A R1B R1C R1D R1E R1F R1G R3A R3B R3C R3D R3E R3F R3G R11A R11B R22A R22B: "SMD Resistor 0603", LCSC Part #=C23018, MPN=CR0603-FX-3901ELF, Package=0603, Power="100 mW", Supplier Part Number 1=652-CR0603-FX3901ELF, Tolerance=1%, Voltage=75V, Created=2018_09_06_AGeiger, MF=Bourns, Supplier 1=Mouser
R2A R2B R2C R2D R2E R2F R2G R4A R4B R4C R4D R4E R4F R4G R13A R13B R23A R23B: library part R_0805, "SMD Resistor 0805", Case_EIA=0805, LCSC Part #=C17437, MPN=CR0805-FX-1200ELF, Power="125 mW", Supplier Part Number 1=652-CR0805FX-1200ELF*, Tolerance=1%, Voltage="150 V", MF=Bourns, Supplier 1=Mouser
  R4A R4B R4C R4D R4E R4F R4G: Package=0805
R5: "SMD Resistor 0603", LCSC Part #=C22797, Package=0603, Power="100 mW", Tolerance=1%, Voltage=50V, Created=2018_09_06_AGeiger
R6: "SMD Resistor 0603", LCSC Part #=C23231, Package=0603, Power="100 mW", Tolerance=1%, Voltage=50V, Created=2018_09_06_AGeiger
R7A R7B R7C R7D R7E R7F R7G R8A R8B R8C R8D R8E R8F R8G R9A R9B R9C R9D R9E R9F R9G R10A R10B R10C R10D R10E R10F R10G R19A R19B R20A R20B R24A R24B R27A R27B: "SMD Resistor 0603", LCSC Part #=C22975, MPN=RC0603FR-072KL, Package=0603, Power="100 mW", Supplier Part Number 1=603-RC0603FR-072KL, Tolerance=1%, Voltage="75 V", Created=2018_09_06_AGeiger, MF=Yageo, Supplier 1=Mouser
R12: "SMD Resistor 0603", LCSC Part #=C22790, Package=0603, Power="100 mW", Tolerance=1%, Voltage=50V, Created=2018_09_06_AGeiger
R14A R14B: "SMD Resistor 0603", LCSC Part #=C22765, MPN=RC0603FR-071K2L, Package=0603, Power="100 mW", Supplier Part Number 1=603-RC0603FR-071K2L, Tolerance=1%, Voltage="75 V", Created=2018_09_06_AGeiger, MF=Yageo, Supplier 1=Mouser
R15: "SMD Resistor 0603", LCSC Part #=C21189, MPN=CRCW06030000Z0EBC, Package=0603, Power="100 mW", Supplier Part Number 1=71-CRCW06030000Z0EBC, Tolerance=1%, Voltage=75V, Created=2018_09_06_AGeiger, MF=Vishay, Supplier 1=Mouser
R16: "SMD Resistor 0603", MPN=CRCW06030000Z0EBC, Package=0603, Power="100 mW", Supplier Part Number 1=71-CRCW06030000Z0EBC, Tolerance=1%, Voltage=75V, Created=2018_09_06_AGeiger, MF=Vishay, Supplier 1=Mouser
R17: "SMD Resistor 0603", LCSC Part #=C22975, MPN=CRCW060322K0FKEAC, Package=0603, Power="100 mW", Supplier Part Number 1=71-CRCW060322K0FKEAC, Tolerance=1%, Voltage=75V, Created=2018_09_06_AGeiger, MF=Vishay, Supplier 1=Mouser
R18: library part R_0603, "SMD Resistor 0603", LCSC Part #=C23204, MPN=RC0603FR-071KL, Package=0603, Power=100mW, Supplier Part Number 1=9238484, Tolerance=1%, Voltage=75V, Created=2019_10_14_AGeiger, MF=Multicomp, Supplier 1=Farnell
R21A R21B R25A R25B: library part R_config, "Solder resistor/jumper between pads 1 and 2 for standard function. Solder resistor between pads 2 and 3 for alternative function", LCSC Part #=C21189, Package=0603, Created=2018_09_04_AGeiger
R26A R26B: "SMD Resistor 0603", MPN=RC0603FR-071K2L, Package=0603, Power="100 mW", Supplier Part Number 1=603-RC0603FR-071K2L, Tolerance=1%, Voltage="75 V", Created=2018_09_06_AGeiger, MF=Yageo, Supplier 1=Mouser
U1A U1B U1C U1D U1E U1F U1G U4A U4B: library part SN75452BDR, "Buffers & Line Drivers Dual Very-HS HC Peripheral Drivers", LCSC Part #=C7069, Package=SOIC-8, Supplier Part Number 1=595-SN75452BDR, Supply Voltage="4.75-5.25 V", Created=2019_04_09_Kreppel, MF="Texas Instruments", MPN=SN75452BDR, Supplier 1=Mouser
U2: library part LMR14050, "SIMPLE SWITCHER® 40-V, 5-A, 2.2-MHz step-down converter with 40-µA IQr", LCSC Part #=C155484, MPN=LMR14050SDDAR, Package=HSOIC-8, Supplier Part Number 1=595-LMR14050SDDAR, Created=2020_04_Kreppel, fSW="1 MHz", MF="Texas Instruments", Supplier 1=Mouser
U3A U3B U5A U5B UAA UAB UAC UAD UAE UAF UAG UBA UBB UBC UBD UBE UBF UBG: library part HFBR-1521Z, "Fibre Optic Transmitters, Receivers, Transceivers Versatile Link Horiz 5MBd Tx RoHS", Foreward Current="60 mA", Supplier Part Number 1=630-HFBR-1521Z, Supply Voltage=5V, Created=2019_04_09_Kreppel, Data Rate="5 MBd", MF=Broadcom/Avago, MPN=HFBR-1521Z, Supplier 1=Mouser, Supplier 2=Digi-Key, Supplier Part Number 2=516-2043-ND, Wavelength="660 nm"
X1: "Mating Card Layout for HSEC8-150-01-XX-DV-A-BL", Manufacturer=SAMTEC, Created=2018_04_23_AGeiger
X2 X3: library part IPL1-102-XX-X-D-X, "2.54mm Double Row Terminal Assembly, Right-Angled", Manufacturer=SAMTEC, Created=2018_05_02_AGeiger, MPN=IPL1-102-01-L-D-K
X4: library part TST-112-01-G-D, "Double Row, 12 positions, Shrouded Terminal Header .100''", Supplier Part Number 1=200-TST11201GD, Created=2020_04_Kreppel, MF=Samtec, MPN=TST-112-01-G-D, Supplier 1=Mouser
Serial1: Created=2018_09_18_AGeiger
VCC VIN: Created=2018_06_25_AGeiger

## Via types
v1: diameter 0.8, hole 0.4, Top Layer to Bottom Layer, 224 vias
v2: diameter 0.6, hole 0.3, Top Layer to Bottom Layer, tented both sides, 119 vias
v3: diameter 0.45, hole 0.2, Top Layer to Bottom Layer, tented bottom, 6 vias

## Nets (pads, with @x,y where several pads share a name; then routed paths per layer and width w, separated by ;. In a path a pad name is that pad's centre, name@x,y a point inside that pad or via, vN(x,y) a via of type N, cw(c..) or ccw(c..) an arc to the next point about the centre after c; other vN are vias at no path point)
DCPLD_DigIn_01: P2.3 X1.83 | length 44.5
  Top Layer w0.254: X1.83@-12.44,35.191 -10.092,35.191 -10.032,35.131 -9.637,35.131 -4.859,30.353 6.034,30.353 21.554,14.834 P2.3@23.597,14.834
DCPLD_DigIn_02: P2.5 X1.85 | length 45.2
  Top Layer w0.254: X1.85@-12.44,34.391 -9.436,34.391 -5.017,29.972 5.877,29.972 23.555,12.294 P2.5@23.597,12.294
DCPLD_DigOut_01: P2.4 X1.84 | length 47.4
  Top Layer w0.254: v2(-9.802,35.685) -9.736,35.619 -9.491,35.619 -4.607,30.734 6.192,30.734 20.938,15.989 24.982,15.989 P2.4@26.137,14.834
  Bottom Layer w0.254: X1.84@-12.44,35.191 -10.296,35.191 v2(-9.802,35.685)
DCPLD_DigOut_02: P2.6 X1.86 | length 49.1
  Top Layer w0.254: v2(-9.665,33.837) -9.599,33.771 -9.354,33.771 -5.175,29.591 5.719,29.591 21.971,13.339 21.971,12.499 23.181,11.29 25.26,11.29 26.137,12.167 P2.6@26.137,12.294
  Bottom Layer w0.254: X1.86@-12.44,34.391 -10.219,34.391 v2(-9.665,33.837)
DIG_IO_19: X1.53 X4.1 | length 93.9
  Top Layer w0.254: X1.53@-12.44,50.391 -10.433,50.391 -10.017,50.807 v2(-9.924,50.807) ; v2(-2.748,55.191) 33.874,55.191 X4.1@66.143,87.46
  Bottom Layer w0.254: v2(-9.924,50.807) -7.132,50.807 v2(-2.748,55.191)
DIG_IO_20: X1.54 X4.3 | length 96.6
  Top Layer w0.254: v2(-2.748,54.381) -2.654,54.381 -2.226,54.81 36.033,54.81 X4.3@68.683,87.46
  Bottom Layer w0.254: X1.54@-12.44,50.391 -10.291,50.391 -10.153,50.253 -9.694,50.253 -9.556,50.391 -7.009,50.391 -3.085,54.315 -2.814,54.315 v2(-2.748,54.381)
DIG_IO_21: X1.57 X4.5 | length 101.1
  Top Layer w0.254: X1.57@-12.44,45.591 -9.748,45.591 -9.477,45.862 v2(-9.383,45.862) ; v2(-1.513,53.195) -0.317,54.391 38.154,54.391 X4.5@71.223,87.46
  Bottom Layer w0.254: v2(-9.383,45.862) -9.376,45.869 -8.702,45.869 -1.579,52.993 -1.579,53.129 v2(-1.513,53.195)
DIG_IO_22: X1.58 X4.7 | length 103.8
  Top Layer w0.254: v2(-1.016,52.664) 0.291,53.971 40.274,53.971 X4.7@73.763,87.46
  Bottom Layer w0.254: X1.58@-12.44,45.591 -9.937,45.591 -9.666,45.32 -9.646,45.341 -9.613,45.308 -8.725,45.308 -1.42,52.613 -1.067,52.613 v2(-1.016,52.664)
DIG_IO_23: X1.61 X4.9 | length 106.7
  Top Layer w0.254: X1.61@-12.44,43.991 -8.542,43.991 -8.271,44.262 v2(-8.22,44.262) ; v2(-0.247,51.88) 1.463,53.59 42.433,53.59 X4.9@76.303,87.46
  Bottom Layer w0.254: v2(-8.22,44.262) -7.865,44.262 v2(-0.247,51.88)
DIG_IO_24: X1.62 X4.11 | length 109.5
  Top Layer w0.254: v2(0.325,51.308) 2.226,53.209 44.592,53.209 X4.11@78.843,87.46
  Bottom Layer w0.254: X1.62@-12.44,43.991 -8.776,43.991 -8.493,43.708 -7.88,43.708 -0.397,51.191 0.004,51.191 0.054,51.242 0.259,51.242 v2(0.325,51.308)
DIG_IO_25: X1.65 X4.13 | length 112.5
  Top Layer w0.254: X1.65@-12.44,42.391 -7.112,42.391 -6.831,42.672 v2(-6.79,42.672) ; v2(1.27,50.391) 3.707,52.828 46.751,52.828 X4.13@81.383,87.46
  Bottom Layer w0.254: v2(-6.79,42.672) -6.449,42.672 v2(1.27,50.391)
DIG_IO_26: X1.66 X4.15 | length 115.3
  Top Layer w0.254: v2(1.759,49.852) 4.354,52.447 48.91,52.447 X4.15@83.923,87.46
  Bottom Layer w0.254: X1.66@-12.44,42.391 -7.293,42.391 -7.02,42.118 -6.442,42.118 1.277,49.837 1.744,49.837 v2(1.759,49.852)
DIG_IO_27: X1.69 X4.17 | length 118.2
  Top Layer w0.254: X1.69@-12.44,40.791 -5.689,40.791 v2(-5.332,41.148) ; v2(2.83,48.804) 6.092,52.066 51.069,52.066 X4.17@86.463,87.46
  Bottom Layer w0.254: v2(-5.332,41.148) -5.313,41.168 -4.897,41.168 2.739,48.804 v2(2.83,48.804)
DIG_IO_28: X1.70 X4.19 | length 120.9
  Top Layer w0.254: v2(3.344,48.29) 6.739,51.685 53.228,51.685 X4.19@89.003,87.46
  Bottom Layer w0.254: X1.70@-12.44,40.791 -5.759,40.791 -5.562,40.594 -4.932,40.594 2.724,48.25 3.304,48.25 v2(3.344,48.29)
DIG_IO_29: X1.73 X4.21 | length 124
  Top Layer w0.254: X1.73@-12.44,39.191 -4.116,39.191 v2(-3.683,39.624) ; v2(4.249,47.385) 8.168,51.304 55.387,51.304 X4.21@91.543,87.46
  Bottom Layer w0.254: v2(-3.683,39.624) -3.597,39.624 4.163,47.385 v2(4.249,47.385)
DIG_IO_30: X1.74 X4.23 | length 126.6
  Top Layer w0.254: v2(4.751,46.859) 8.815,50.923 57.546,50.923 X4.23@94.083,87.46
  Bottom Layer w0.254: X1.74@-12.44,39.191 -4.185,39.191 -4.064,39.07 -3.454,39.07 4.307,46.831 4.723,46.831 v2(4.751,46.859)
GATE_A1: P1.1 R8A.2 U1A.2 X1.17 | length 161.1
  Top Layer w0.254: X1.17@-12.44,64.791 -10.231,64.791 -3.683,58.243 -3.683,53.971 4.568,45.72 44.069,45.72 P1.1@44.45,46.101 45.454,45.097 80.852,45.097 101.092,65.337 101.092,82.081 105.117,86.106 106.956,86.106 107.858,87.008 U1A.2@107.858,87.101 ; U1A.2@107.858,87.483 U1A.2@107.858,87.101 ; R8A.2@109.395,85.716 109.395,85.766 108.22,86.942 108.018,86.942 U1A.2@107.858,87.101
GATE_A2: P1.3 R8B.2 U1B.2 X1.21 | length 154.3
  Top Layer w0.254: X1.21@-12.44,63.191 -10.231,63.191 -4.445,57.405 -4.445,53.655 4.256,44.954 43.057,44.954 P1.3@44.45,43.561 45.454,42.557 82.356,42.557 101.854,62.055 101.854,73.049 104.751,75.946 106.956,75.946 107.858,76.848 U1B.2@107.858,76.941 ; U1B.2@107.858,77.323 U1B.2@107.858,76.941 ; R8B.2@109.395,75.556 109.395,75.606 108.22,76.782 108.018,76.782 U1B.2@107.858,76.941
GATE_A3: P1.5 R8C.2 U1C.2 X1.25 | length 147.4
  Top Layer w0.254: X1.25@-12.44,61.591 -10.231,61.591 -5.207,56.567 -5.207,53.34 -4.106,52.239 3.941,44.192 41.279,44.192 P1.5@44.45,41.021 45.593,39.878 83.529,39.878 103.179,59.528 103.179,63.813 105.025,65.659 106.829,65.659 107.858,66.688 U1C.2@107.858,66.781 ; U1C.2@107.858,67.163 U1C.2@107.858,66.781 ; R8C.2@109.395,65.396 109.395,65.446 108.22,66.622 108.018,66.622 U1C.2@107.858,66.781
GATE_A4: P1.7 R8D.2 U1D.2 X1.29 | length 141.7
  Top Layer w0.254: X1.29@-12.44,59.991 -10.231,59.991 -5.987,55.747 -5.987,53.042 3.625,43.43 39.501,43.43 P1.7@44.45,38.481 45.454,37.477 85.483,37.477 103.886,55.88 107.21,55.88 107.858,56.528 U1D.2@107.858,56.621 ; U1D.2@107.858,57.003 U1D.2@107.858,56.621 ; R8D.2@109.395,55.236 109.395,55.286 108.22,56.462 108.018,56.462 U1D.2@107.858,56.621
GATE_A5: P1.9 R8E.2 U1E.2 X1.33 | length 138.7
  Top Layer w0.254: X1.33@-12.44,58.391 -10.259,58.391 -6.749,54.881 -6.749,52.726 3.31,42.668 37.723,42.668 P1.9@44.45,35.941 45.593,34.798 92.511,34.798 103.179,45.466 107.05,45.466 107.858,46.274 U1E.2@107.858,46.367 ; U1E.2@107.858,46.749 U1E.2@107.858,46.367 ; R8E.2@109.395,44.982 109.395,45.032 108.22,46.208 108.018,46.208 U1E.2@107.858,46.367
GATE_A6: P1.11 R8F.2 U1F.2 X1.37 | length 135.5
  Top Layer w0.254: X1.37@-12.44,56.791 -10.356,56.791 -9.652,56.086 -7.511,53.945 -7.511,52.411 2.994,41.906 35.945,41.906 P1.11@44.45,33.401 44.461,33.39 45.581,33.39 46.713,32.258 99.425,32.258 102.473,35.306 107.015,35.306 107.823,36.114 U1F.2@107.823,36.207 ; U1F.2@107.823,36.589 U1F.2@107.823,36.207 ; R8F.2@109.36,34.822 109.36,34.872 108.185,36.048 107.983,36.048 U1F.2@107.823,36.207
GATE_A7: P1.13 R8G.2 U1G.2 X1.41 | length 136.1
  Top Layer w0.254: X1.41@-12.44,55.191 -12.415,55.216 -10.378,55.216 -8.273,53.11 -8.273,52.095 2.74,41.082 34.229,41.082 P1.13@44.45,30.861 45.454,29.857 100.725,29.857 105.19,25.392 107.269,25.392 107.823,25.946 U1G.2@107.823,26.039 ; U1G.2@107.823,26.421 U1G.2@107.823,26.039 ; R8G.2@109.36,24.654 109.36,24.704 108.185,25.88 107.983,25.88 U1G.2@107.823,26.039
GATE_B1: P1.2 R10A.2 U1A.6 X1.18 | length 169.6
  Top Layer w0.254: v2(-9.362,64.77) -3.302,58.71 -3.302,54.129 4.726,46.101 42.545,46.101 43.549,47.105 45.986,47.105 P1.2@46.99,46.101 47.228,45.863 47.808,45.863 47.95,45.72 79.697,45.72 100.711,66.734 100.711,82.239 103.302,84.83 103.302,94.086 104.711,95.494 105.741,95.494 105.745,95.498 107.196,95.498 107.9,94.794 R10A.2@107.9,94.744 108.223,94.421 108.223,94.262 109.128,93.358 U1A.6@109.128,92.883
  Bottom Layer w0.254: X1.18@-12.44,64.791 -9.383,64.791 v2(-9.362,64.77)